# Altium PCB SIM_Controller_V2.0.PcbDoc
Units mil, origin at the board's own origin, x right, y up, seen from the top; angles counter-clockwise.
Board outline 5320 x 7618 mil, 2 copper layers (Top Layer, Bottom Layer); 110 components, 75 nets, 492 pads, 49 vias.
Unrouted connection lines stored in the file: 141.
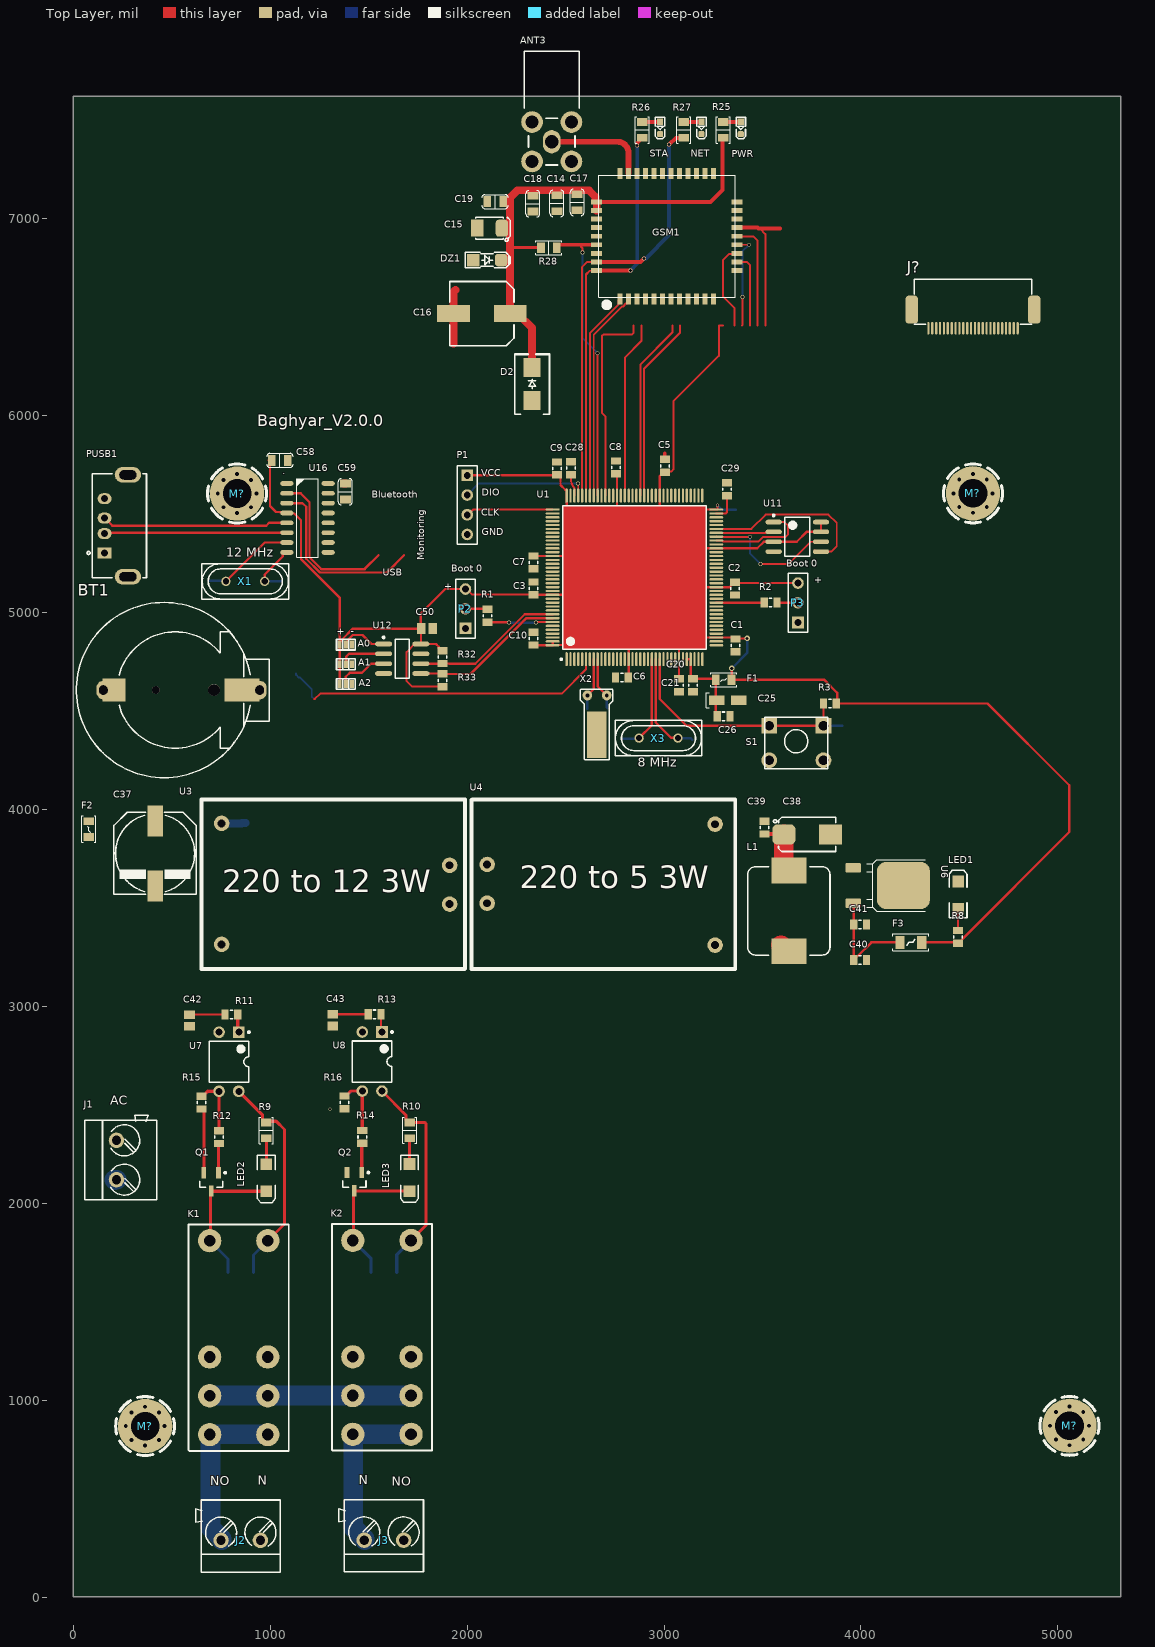
[diagram p0: Top Layer view]
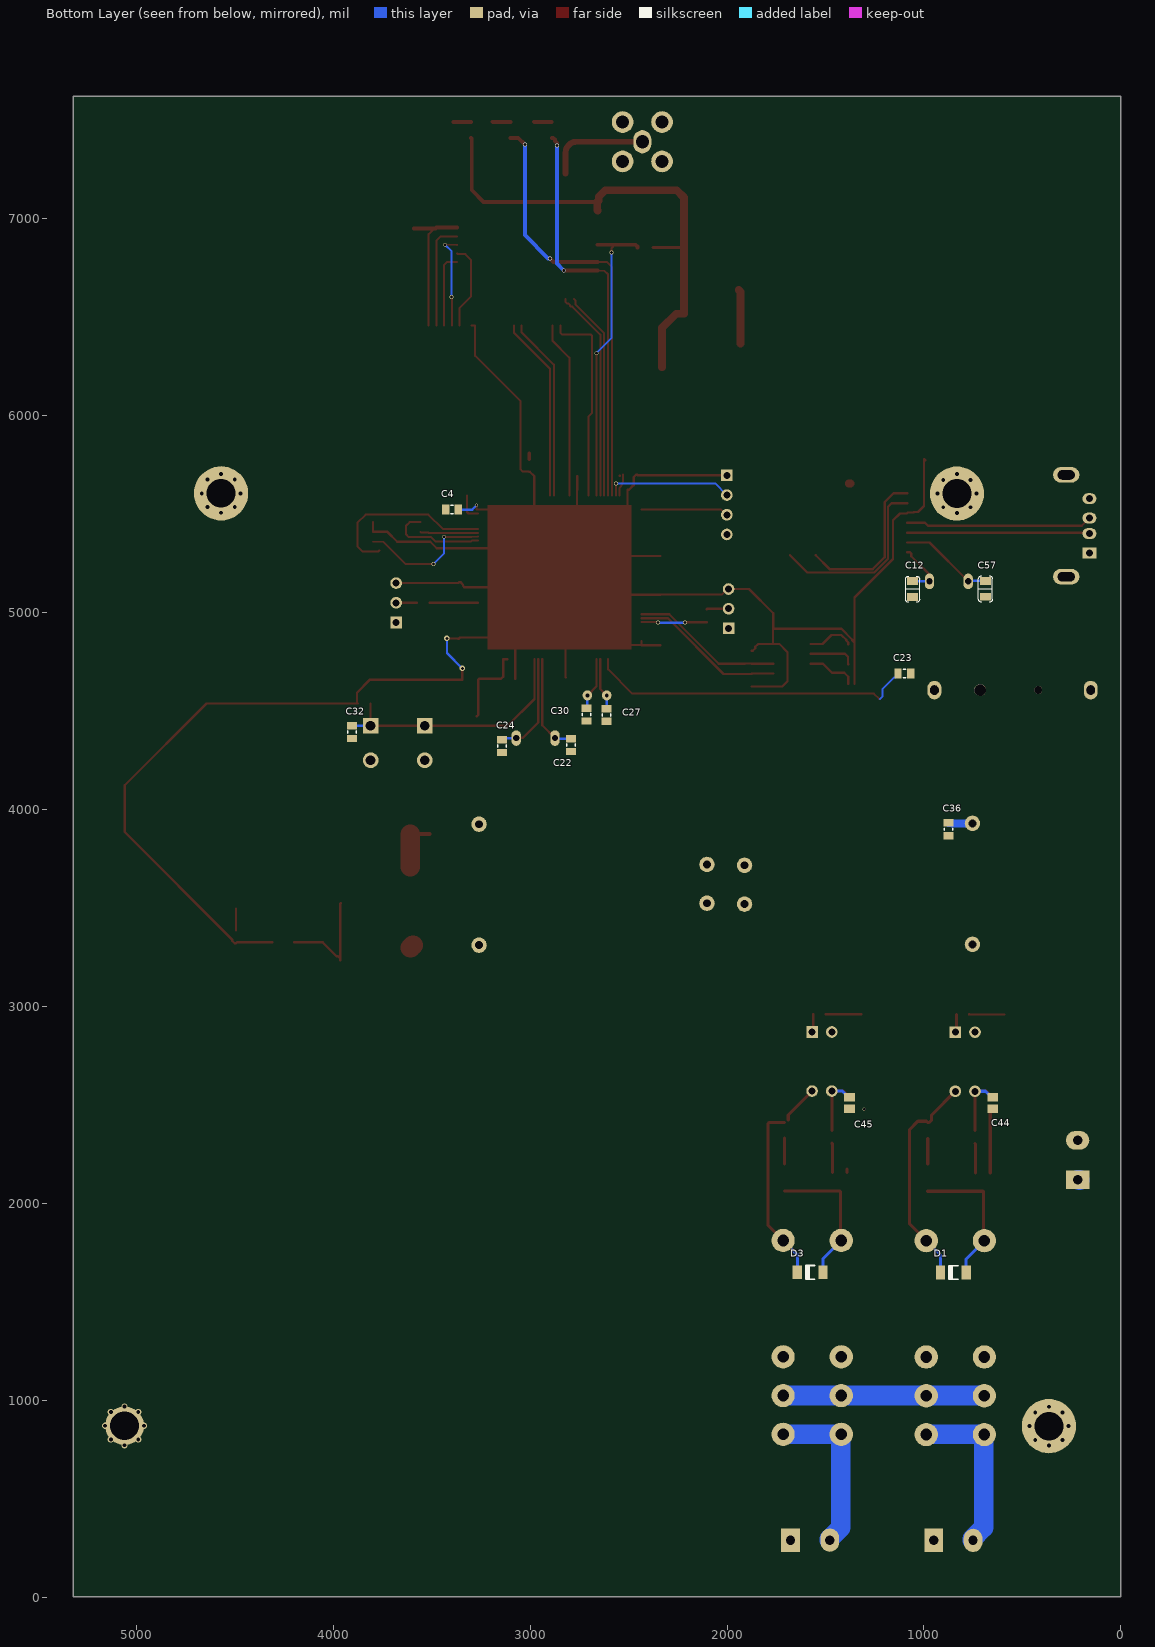
[diagram p1: Bottom Layer view, seen from below]
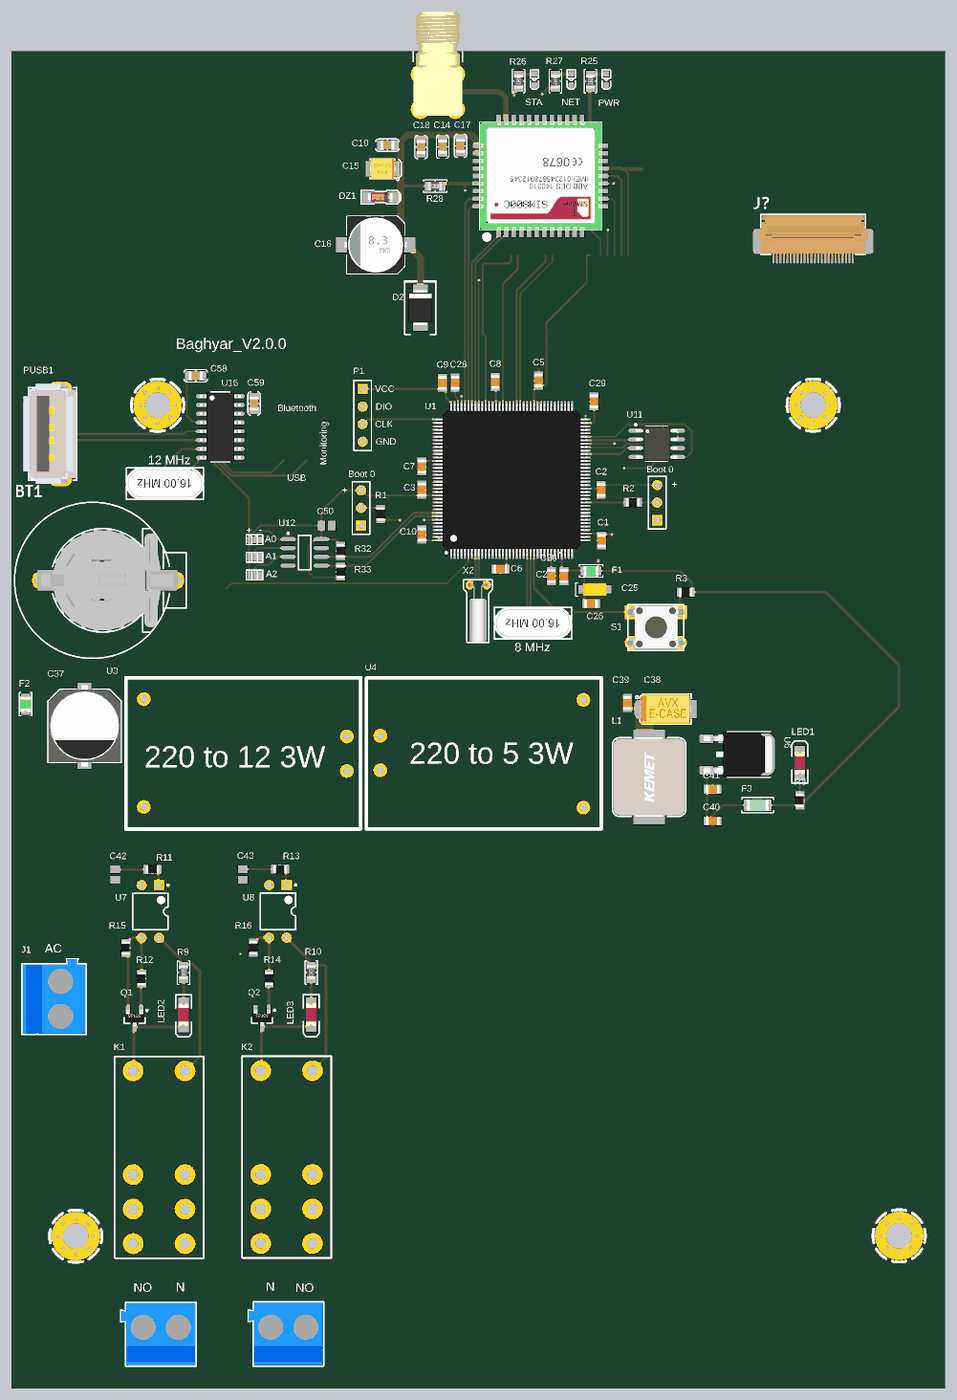
[diagram p2: 3D render of the assembled board from above, using the file's embedded part models]
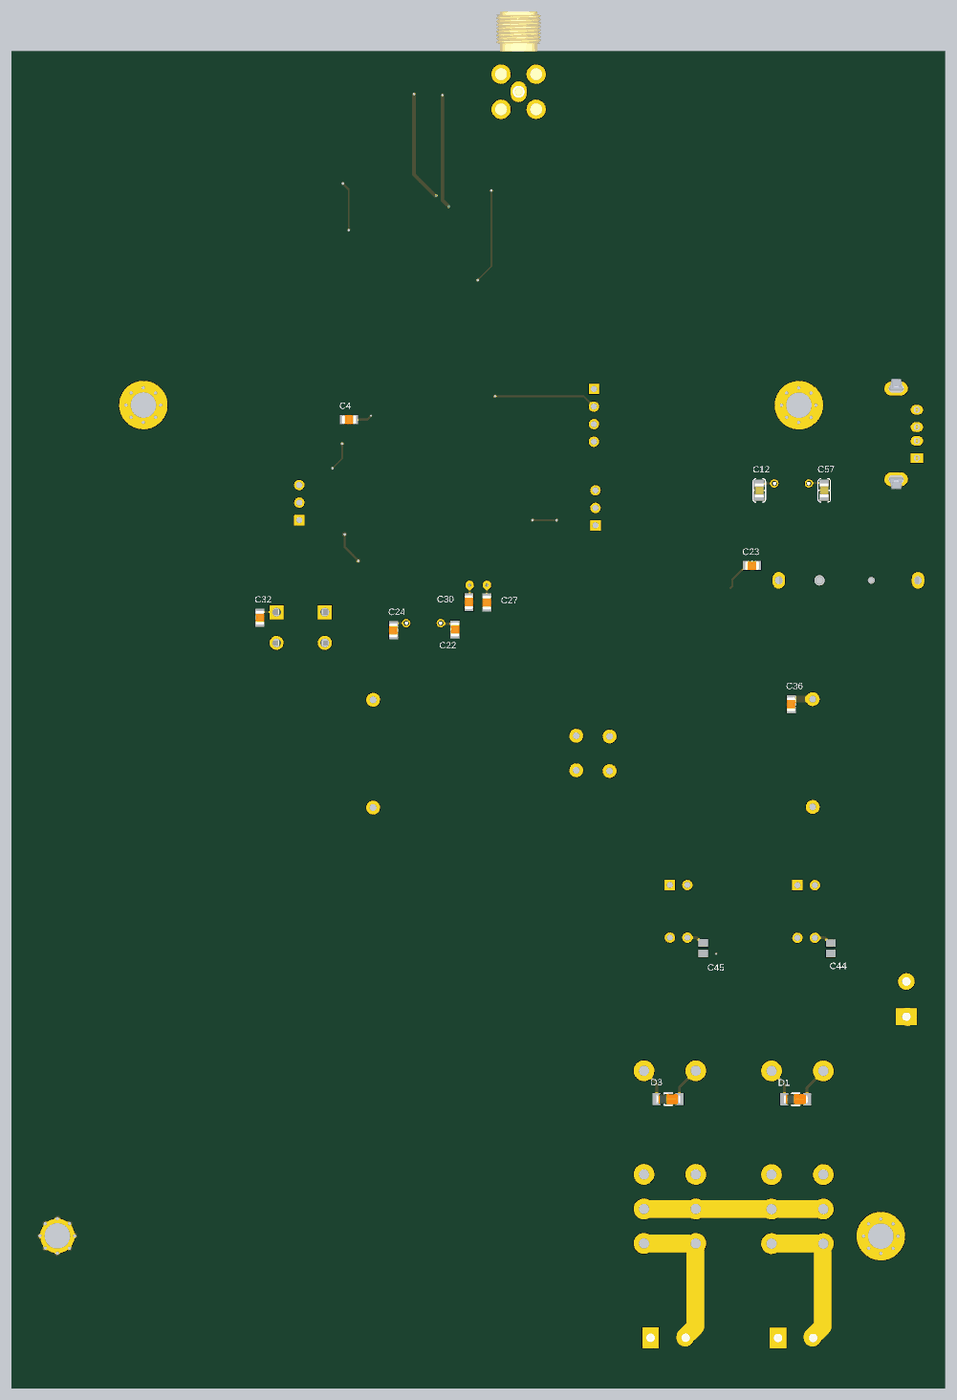
[diagram p3: 3D render of the assembled board from below, using the file's embedded part models]

## Layer stack, top to bottom
Top Solder: solder mask 0.4, Solder Resist, Dk 3.5
Top Layer: signal copper 1.4
Dielectric 1: dielectric 12.6, FR-4, Dk 4.8
Bottom Layer: signal copper 1.4
Bottom Solder: solder mask 0.4, Solder Resist, Dk 3.5

## Board outline
0,2 5320,2 5320,7620 0,7620

## Design rules (kind name [scope] priority, off if disabled: settings)
Clearance [All] p1: gap=5 ignorepadtopadclearanceinfootprint=FALSE
HoleSize [All] p1: absolutevalues=TRUE maxlimit=2000 minlimit=1 maxpercent=80.000 minpercent=20.000
PolygonConnect [All] p1: connectstyle=Relief reliefconductorwidth=10 reliefentries=4 polygonreliefangle="90 Angle" airgapwidth=10
RoutingVias [All] p1: holewidth=15 width=20 viastyle="Through Hole" minholewidth=15 minwidth=20 maxholewidth=15 maxwidth=20
SilkToSilkClearance [All] p1: silktosilkclearance=0
SilkToSolderMaskClearance [IsPad] p1: minsilkscreentomaskgap=0 clearancetoexposedcopper=TRUE
SolderMaskExpansion [All] p1: expansion=4 istentingtop=FALSE
Width [All] p1: maxlimit=100 minlimit=10 preferedwidth=10
27 further rules are at their usual default settings.

## Classes and differential pairs
component class 5: C36 C37 C38 C39 C40 C41 F2 F3 J1 L1 LED1 R8 T1 U3 U4 U6
component class 4: C42 C43 C44 C45 D1 D3 J2 J3 K1 K2 LED2 LED3 Q1 Q2 R9 R10 R11 R12 R13 R14 R15 R16 T2 T3 T4 T5 U7 U8
component class 3: C58 C59 J? PUSB1
component class 2: A0 A1 A2 ANT3 C12 C14 C15 C16 C17 C18 C19 C50 C57 D2 DZ1 GSM1 NET PWR R25 R26 R27 R28 R32 R33 SB1 SB2 SB3 SIM800C STA U11 U12 U16 X1 Z3
component class 1: C1 C2 C3 C4 C5 C6 C7 C8 C9 C10 C20 C21 C22 C23 C24 C25 C26 C27 C28 C29 C30 C32 F1 M? P1 P2 P3 R1 R2 R3 S1 U1 X2 X3

## Components (designator, comment, footprint, x,y, rotation, side; value= is the part's Value field where it differs from the comment)
A0 "CONN_PWL_3" "SOLDER 3Pin SELECTOR" 1416,4837 r180 top
A1 "CONN_PWL_3" "SOLDER 3Pin SELECTOR" 1416,4737 r180 top
A2 "CONN_PWL_3" "SOLDER 3Pin SELECTOR" 1416,4637 r180 top
ANT3 "SMA" SMA_RA 2430,7390 r270 top
BT1 "BAT3volt" BTH1220_2032 570,4606 r180 top
C1 "100nF" SMD_CAP_0805 3364,4800 r90 top
C2 "100nF" SMD_CAP_0805 3360,5089 r90 top
C3 "100nF" SMD_CAP_0805 2338,5155 r270 top
C4 "100nF" SMD_CAP_0805 3429,5522 r180 bottom
C5 "100nF" SMD_CAP_0805 3004,5776.96 r270 top
C6 "100nF" SMD_CAP_0805 2754,4670 r0 top
C7 "100nF" SMD_CAP_0805 2338,5222 r90 top
C8 "100nF" SMD_CAP_0805 2757,5769 r270 top
C9 "100nF" SMD_CAP_0805 2456,5764 r270 top
C10 "100nF" SMD_CAP_0805 2338,4900 r270 top
C12 "22pF" "CAP 0805" 1058,5118 r90 bottom
C14 "100nF" "CAP 0805" 2456,7077 r90 top
C15 "100uF" "CAP TAN SMD 3528" 2114,6951 r180 top
C16 "1000uF" "CAP ALSMD POLY 8.3MM H8.0MM" 2075,6517 r180 top
C17 "33pF" "CAP 0805" 2559,7082 r90 top
C18 "10pF" "CAP 0805" 2334,7075 r90 top
C19 "10uF" "CAP 0805" 2142,7086 r0 top
C20 "100nF" SMD_CAP_0805 3076,4598 r90 top
C21 "10nF" SMD_CAP_0805 3148,4598 r90 top
C22 "20pF" SMD_CAP_0805 2793,4294 r90 bottom
C23 "100nF" SMD_CAP_0805 1067,4690 r0 bottom
C24 "20pF" SMD_CAP_0805 3143,4289 r90 bottom
C25 "1uF" "CAPP 1206 (3216X18L) Size A" 3269,4554 r0 top
C26 "100nF" SMD_CAP_0805 3335,4473 r180 top
C27 "6.8pF" SMD_CAP_0805 2611,4447 r90 bottom
C28 "2.2uF" SMD_CAP_0805 2528,5765 r270 top
C29 "2.2uF" SMD_CAP_0805 3320,5658 r270 top
C30 "6.8pF" SMD_CAP_0805 2713,4514 r270 bottom
C32 "100nF" SMD_CAP_0805 3905,4360 r90 bottom
C36 "100nF" SMD_CAP_0805 876,3867 r90 bottom
C37 "680uF" "CAP AL SMD D10 H10" 416,3777 r270 top
C38 "470uF" "CAP TAN SMD 7343" 3727,3873 r0 top
C39 "100nF" SMD_CAP_0805 3510,3940 r270 top
C40 "100uF" SMD_CAP_0805 3963,3235 r0 top
C41 "10uF" SMD_CAP_0805 3963,3415 r0 top
C42 "100nF" C0805 591,2929 r90 top
C43 "100nF" C0805 1318,2930 r90 top
C44 "100nF" C0805 651,2509 r90 bottom
C45 "100nF" C0805 1378,2510 r90 bottom
C50 "100nF" C0805 1796,4918 r180 top
C57 "22pF" "CAP 0805" 688,5119 r90 bottom
C58 "10nf" "CAP 0805" 1050,5772 r180 top
C59 "10uF" "CAP 0805" 1382,5613 r90 top
D1 "1N4148" LL4148 851,1649 r0 bottom
D2 "1N4148 SMD" "DO-214AA SMB" 2330,6160 r90 top
D3 "1N4148" LL4148 1578,1650 r0 bottom
DZ1 "Zener 0.5W SMD" SOD80 2102,6789 r0 top value=4.7V
F1 "Fuse 0805" FUSE_0805 3303,4659 r180 top value=200mA
F2 "Fuse 0805" FUSE_0805 80,3900 r270 top value=200mA
F3 "Fuse 1206" FUSE_1206 4253,3325 r0 top value=2A
GSM1 "SIM800C" M_Sim800C 3010,6900 r180 top
J1 "CONN_TB2" P_TBB_2 220,2220 r90 top
J2 "CONN_TB2" P_TBB_2 851,289 r180 top
J3 "CONN_TB2" P_TBB_2 1578,290 r180 top
J? "FPC_0.5mm_24" FPC50_24 4568.84,6443 r0 top
K1 "relay" Omron_8pin 831,1279 r270 top
K2 "relay" Omron_8pin 1558,1280 r270 top
L1 "Inductor SMD POWER 10X11mm" "IND 10X11" 3634,3485 r90 top value=100uH
LED1 "Color" "LED SMD 1206" 4493,3565 r90 top
LED2 "Color" "LED SMD 1206" 981,2130.1 r270 top
LED3 "Color" "LED SMD 1206" 1708,2131.1 r270 top
M? "DNP/MH" SCMH_M3P5#1 5058.93,870.52 r0 top
M? "DNP/MH" SCMH_M3P5#2 365.72,868.93 r0 top
M? "DNP/MH" SCMH_M3P5#2 4568.79,5604.74 r0 top locked
M? "DNP/MH" SCMH_M3P5#2 832.57,5603.81 r0 top locked
NET "Color" LED_0603_GREEN 3190,7460 r270 top
P1 "Header 4" HDR1X4 2001,5696 r270 top
P2 "Header 3" HDR1X3 1992,4919 r90 top
P3 "Header 3" HDR1X3 3680,4949 r90 top
PUSB1 "CONN_USB_A" USB_A_REC_ST 160,5440 r270 top
PWR "Color" LED_0603_RED 3390,7460 r270 top
Q1 "BC817" SOT23_BEC_M 701,2109 r270 top
Q2 "BC817" SOT23_BEC_M 1428,2110 r270 top
R1 "10k" "RES 0805 (2012X06L)" 2103,5016 r270 top
R2 "10k" "RES 0805 (2012X06L)" 3574,5050 r180 top
R3 "100k" "RES 0805 (2012X06L)" 3810,4538 r0 top
R8 "100R" "RES 0805 (2012X06L)" 4493,3385 r270 top
R9 "2.2K" "RES 0805" 981,2370.1 r90 top
R10 "2.2K" "RES 0805" 1708,2371.1 r90 top
R11 "1K" "RES 0805 (2012X06L)" 771,2959 r0 top
R12 "10K" "RES 0805 (2012X06L)" 741,2369 r270 top
R13 "1K" "RES 0805 (2012X06L)" 1498,2960 r0 top
R14 "10K" "RES 0805 (2012X06L)" 1468,2370 r270 top
R15 "10K" "RES 0805 (2012X06L)" 651,2479 r90 top
R16 "10K" "RES 0805 (2012X06L)" 1378,2480 r90 top
R25 "220" "RES 0805" 3300,7450 r270 top
R26 "220" "RES 0805" 2890,7450 r270 top
R27 "220" "RES 0805" 3100,7450 r270 top
R28 "10k" "RES 0805" 2415,6852 r180 top value=10K
R32 "4.7K" "RES 0805 (2012X06L)" 1876,4741 r90 top
R33 "4.7K" "RES 0805 (2012X06L)" 1876,4688 r270 top
S1 "Switch PB" "Switch - Push to On" 3672,4337 r0 top
STA "Color" LED_0603_BLUE 2980,7460 r270 top
U1 "STM32F429ZGT6" LQFP144 2850,5178 r90 top
U3 "220-to_12" "H-Link 3W" 1986,4047 r180 top
U4 "220-to_5" "H-Link 3W" 2027,3193 r0 top
U6 "LF33" TO252 4063,3615 r270 top
U7 "Optoisolator1" DIP-4 791,2719 r270 top
U8 "Optoisolator1" DIP-4 1518,2720 r270 top
U11 "W25Q64JV" SOIC_8pin 3677,5384 r0 top
U12 "AT24C02B-TP25-T" SO8_N 1671,4765 r0 top
U16 "74HC595" SOP16 1190,5480 r0 top
X1 "Value" "XTAL THD HC49" 874,5158 r180 top
X2 "Crystal THD 32KHz 6mm" "XTAL THD RTC 6MM" 2658,4378 r0 top
X3 "Value" "XTAL THD HC49" 2972,4362 r180 top

## Footprints (in the part's own frame and the unit in brackets; to place one, negate y for a bottom-side part, rotate by r counter-clockwise, add the part's x,y. Pads: shape width x height; smd on the part's side, far side on the other; paste and mask are expansions set on the pad)
BTH1220_2032 [mm] "COIN CELL BATTERY HOLDER 1220 12mm CR2032"
  oval 1.8x2.4 hole 1.1 slot 1.2 at 90 deg: 1(-9.58,0) 2(10.58,0)
  rect 4.5x3 smd: 1(-7.3,0)
  rect 3x3 smd: 2(9.2,0)
  round 1.5 hole 1.5 unplated: ""(-3.683,0)
  round 1 hole 1 unplated: ""(3.81,0)
  silkscreen extent -10.8,-11.3 14.05,11.3, body extent -9,-7.37 10.2,7.37, height 4.35
C0805 [mm] "Chip Capacitor, Body 2.0x1.3mm, IPC High Density"
  rect 1.1x1.4 smd: 1(-0.75,0) 2(0.75,0)
  body extent -1.1,-0.72 1.1,0.72, height 1.4
"CAP 0805" [mm] "Chip Capacitor, 2-Leads, Body 2.00x1.20mm, IPC Medium Density"
  rect 1x1.4 smd: 1(-1,0) 2(1.05,0)
  silkscreen extent -1.7,-0.9 1.7,0.9, body extent -1,-0.64 1,0.64, height 1.26
"CAP AL SMD D10 H10" [mm] "Electrolytic Cap, 10.3mm, L: 10mm"
  rect 4x2 smd: 1(-4.2,0) 2(4.2,0)
  Top Layer pour cut-out: -3.556,5.08 -3.556,-5.08 3.556,-5.08 3.556,5.08
  silkscreen extent -5.3,-5.3 5.3,5.3, body extent -5.9,-5.25 5.9,5.25, height 10.5
"CAP ALSMD POLY 8.3MM H8.0MM" [mm] "Aluminum Electrolytic Capacitor, Body 8.30x8.30x8.0mm"
  rect 4.2x2.2 smd: 1(-3.65,0) 2(3.65,0)
  Top Layer pour cut-out: -4.2,2.3 4.15,2.3 4.15,-2.4 -4.2,-2.4
  silkscreen extent -4.15,-4.15 4.15,4.15, body extent -4.5,-4.15 4.5,4.15, height 8
"CAP TAN SMD 3528" [mm] "CAPACITOR, TAN B, TAN H, TAN T, TAN M, 3528P, 1210P, 3.5X2.8mm"
  rrect50% 1.6x2.2 smd mask+0.1: 1(-1.6,0)
  rect 1.6x2.2 smd mask+0.1: 2(1.6,0)
  Top Layer pour cut-out: -0.889,1.4 -0.889,-1.4 0.889,-1.4 0.889,1.4
  silkscreen extent -2.7,-1.4 1.8,1.7, body extent -1.85,-1.46 1.85,1.47, height 2.03
"CAP TAN SMD 7343" [mm] "CAPACITOR, TAN D, TAN E, TAN Y, TAN X, 7343P, 7.3X4.3mm"
  rrect50% 3x2.6 smd: 1(-3,0)
  rect 3x2.6 smd: 2(3,0)
  Top Layer pour cut-out: -2.032,2.2 -2.032,-2.2 2.032,-2.2 2.032,2.2
  silkscreen extent -4.35,-2.2 3.7,2.2, body extent -3.7,-2.22 3.7,2.23, height 4.2
"CAPP 1206 (3216X18L) Size A" [mil] "Chip Capacitor, 2-Leads, Body 3.2x1.6mm, IPC High Density, chip Tantalum"
  rect 78.7x47.2 smd: 1(0,0) 2(110.22,0)
  silkscreen extent -54,-38 -39,38, body extent -17,-36 126,35, height 71
DIP-4 [mm] "DIP; 4 Leads; Row Spacing 7.62 mm; Pitch 2.54 mm"
  rect 1.5x1.5 hole 0.9: 1(-3.81,1.27)
  round 1.5 hole 0.9: 2(-3.81,-1.27) 3(3.81,-1.27) 4(3.81,1.27)
  silkscreen extent -3.93,-2.55 2.65,2.7, body extent -3.15,-2.5 3.15,2.5, height 5.6
"DO-214AA SMB" [mm] "Molded Diode, 2-Leads, Body 4.31x3.62mm, IPC Medium Density"
  rect 2.45x2.15 smd: 1(-2.15,0) 2(2.15,0)
  silkscreen extent -3.9,-2.25 3.9,2.25, body extent -2.6,-1.8 2.6,1.8, height 2.4
FPC50_24 [mm] "FPC, FH12 Series; 24 Position; 0.5mm, Bottom Contact, FH12F-24S-0.5SH"
  oval 0.3x1.6 smd mask+0.05: 1(5.75,0) 2(5.25,0) 3(4.75,0) 4(4.25,0) 5(3.75,0) 6(3.25,0) 7(2.75,0) 8(2.25,0) 9(1.75,0) 10(1.25,0) 11(0.75,0) 12(0.25,0) 13(-0.25,0) 14(-0.75,0) 15(-1.25,0) 16(-1.75,0) 17(-2.25,0) 18(-2.75,0) 19(-3.25,0) 20(-3.75,0) 21(-4.25,0) 22(-4.75,0) 23(-5.25,0) 24(-5.75,0)
  rrect50% 1.6x3.6 smd: ""(-7.9,2.4) ""(7.9,2.4)
  silkscreen extent -7.6,0.5 7.6,6.3, body extent -8.05,-0.2 8.05,6.2, height 2.04
FUSE_0805 [mm]
  rect 1x1.35 smd: 1(-1.016,0) 2(1.016,0)
  silkscreen extent -1.7,-0.9 1.7,0.9, body extent -1.1,-0.74 1.1,0.76, height 1.34
FUSE_1206 [mm]
  rect 1.2x1.65 smd: 1(-1.4,0) 2(1.4,0)
  silkscreen extent -2.3,-1.1 2.3,1.1, body extent -1.6,-0.83 1.6,0.83, height 0.66
"H-Link 3W" [mm]
  round 2 hole 1: 1(1.898,13.398) 2(1.898,8.398) 3(31.298,18.598) 4(31.298,2.998)
  silkscreen extent -0.1,-0.1 33.9,21.8
HDR1X3 [mm] "Connector; Header; 3 Position"
  rect 1.5x1.5 hole 0.9: 1(0,0)
  round 1.5 hole 0.9: 2(2.54,0) 3(5.08,0)
  silkscreen extent -1.27,-1.27 6.35,1.27
HDR1X4 [mm] "Connector; Header; 4 Position"
  rect 1.5x1.5 hole 0.9: 1(0,0)
  round 1.5 hole 0.9: 2(2.54,0) 3(5.08,0) 4(7.62,0)
  silkscreen extent -1.27,-1.27 8.89,1.27
"IND 10X11" [mm]
  rect 3.3x4.5 smd: 1(-5.207,0) 2(5.207,0)
  Top Layer pour cut-out: -4.953,4.635 4.953,4.635 4.953,-4.572 -4.953,-4.572
  silkscreen extent -5.7,-5.3 5.7,5.3, body extent -5.75,-5.15 5.75,5.15, height 4.01
"LED SMD 1206" [mm]
  rect 1.5x1.5 smd: 1(-1.75,0) 2(1.75,0)
  silkscreen extent -2.9,-1.15 3.2,1.15, body extent -1.65,-0.76 1.65,0.69, height 1.36
LED_0603_BLUE [mm] "LED SMD 0603, BLUE"
  rect 0.8x0.8 smd mask+0.075: 1(-0.8,0)
  rrect50% 0.8x0.8 smd mask+0.075: 2(0.8,0)
  silkscreen extent -1.4,-0.6 1.4,0.6, body extent -0.8,-0.4 0.8,0.4, height 0.5
LED_0603_GREEN [mm] "LED SMD 0603, GREEN"
  rect 0.8x0.8 smd mask+0.075: 1(-0.8,0)
  rrect50% 0.8x0.8 smd mask+0.075: 2(0.8,0)
  silkscreen extent -1.4,-0.6 1.4,0.6, body extent -0.8,-0.4 0.8,0.4, height 0.5
LED_0603_RED [mm] "LED SMD 0603, RED"
  rect 0.8x0.8 smd mask+0.075: 1(-0.8,0)
  rrect50% 0.8x0.8 smd mask+0.075: 2(0.8,0)
  silkscreen extent -1.4,-0.6 1.4,0.6, body extent -0.8,-0.4 0.8,0.4, height 0.5
LL4148 [mm] "MELF Diode, 2-Leads, Body 3.5x1.4mm, IPC Medium Density"
  rect 1.2x1.75 smd: 1(-1.65,0) 2(1.65,0)
  silkscreen extent -0.61,-0.88 0.57,0.87, body extent -1.78,-0.75 1.72,0.75, height 1.55
LQFP144 [mm] "Thin QFP, 144-Leads, Body 20x20mm, Pitch 0.5mm, IPC Medium Density"
  oval 1.8x0.3 smd: 1(-10.55,8.75) 2(-10.55,8.25) 3(-10.55,7.75) 4(-10.55,7.25) 5(-10.55,6.75) 6(-10.55,6.25) 7(-10.55,5.75) 8(-10.55,5.25) 9(-10.55,4.75) 10(-10.55,4.25) 11(-10.55,3.75) 12(-10.55,3.25) 13(-10.55,2.75) 14(-10.55,2.25) 15(-10.55,1.75) 16(-10.55,1.25) 17(-10.55,0.75) 18(-10.55,0.25) 19(-10.55,-0.25) 20(-10.55,-0.75) 21(-10.55,-1.25) 22(-10.55,-1.75) 23(-10.55,-2.25) 24(-10.55,-2.75) 25(-10.55,-3.25) 26(-10.55,-3.75) 27(-10.55,-4.25) 28(-10.55,-4.75) 29(-10.55,-5.25) 30(-10.55,-5.75) 31(-10.55,-6.25) 32(-10.55,-6.75) 33(-10.55,-7.25) 34(-10.55,-7.75) 35(-10.55,-8.25) 36(-10.55,-8.75) 73(10.55,-8.75) 74(10.55,-8.25) 75(10.55,-7.75) 76(10.55,-7.25) 77(10.55,-6.75) 78(10.55,-6.25) 79(10.55,-5.75) 80(10.55,-5.25) 81(10.55,-4.75) 82(10.55,-4.25) 83(10.55,-3.75) 84(10.55,-3.25) 85(10.55,-2.75) 86(10.55,-2.25) 87(10.55,-1.75) 88(10.55,-1.25) 89(10.55,-0.75) 90(10.55,-0.25) 91(10.55,0.25) 92(10.55,0.75) 93(10.55,1.25) 94(10.55,1.75) 95(10.55,2.25) 96(10.55,2.75) 97(10.55,3.25) 98(10.55,3.75) 99(10.55,4.25) 100(10.55,4.75) 101(10.55,5.25) 102(10.55,5.75) 103(10.55,6.25) 104(10.55,6.75) 105(10.55,7.25) 106(10.55,7.75) 107(10.55,8.25) 108(10.55,8.75)